# KiCad board Marble.kicad_pcb (continued)
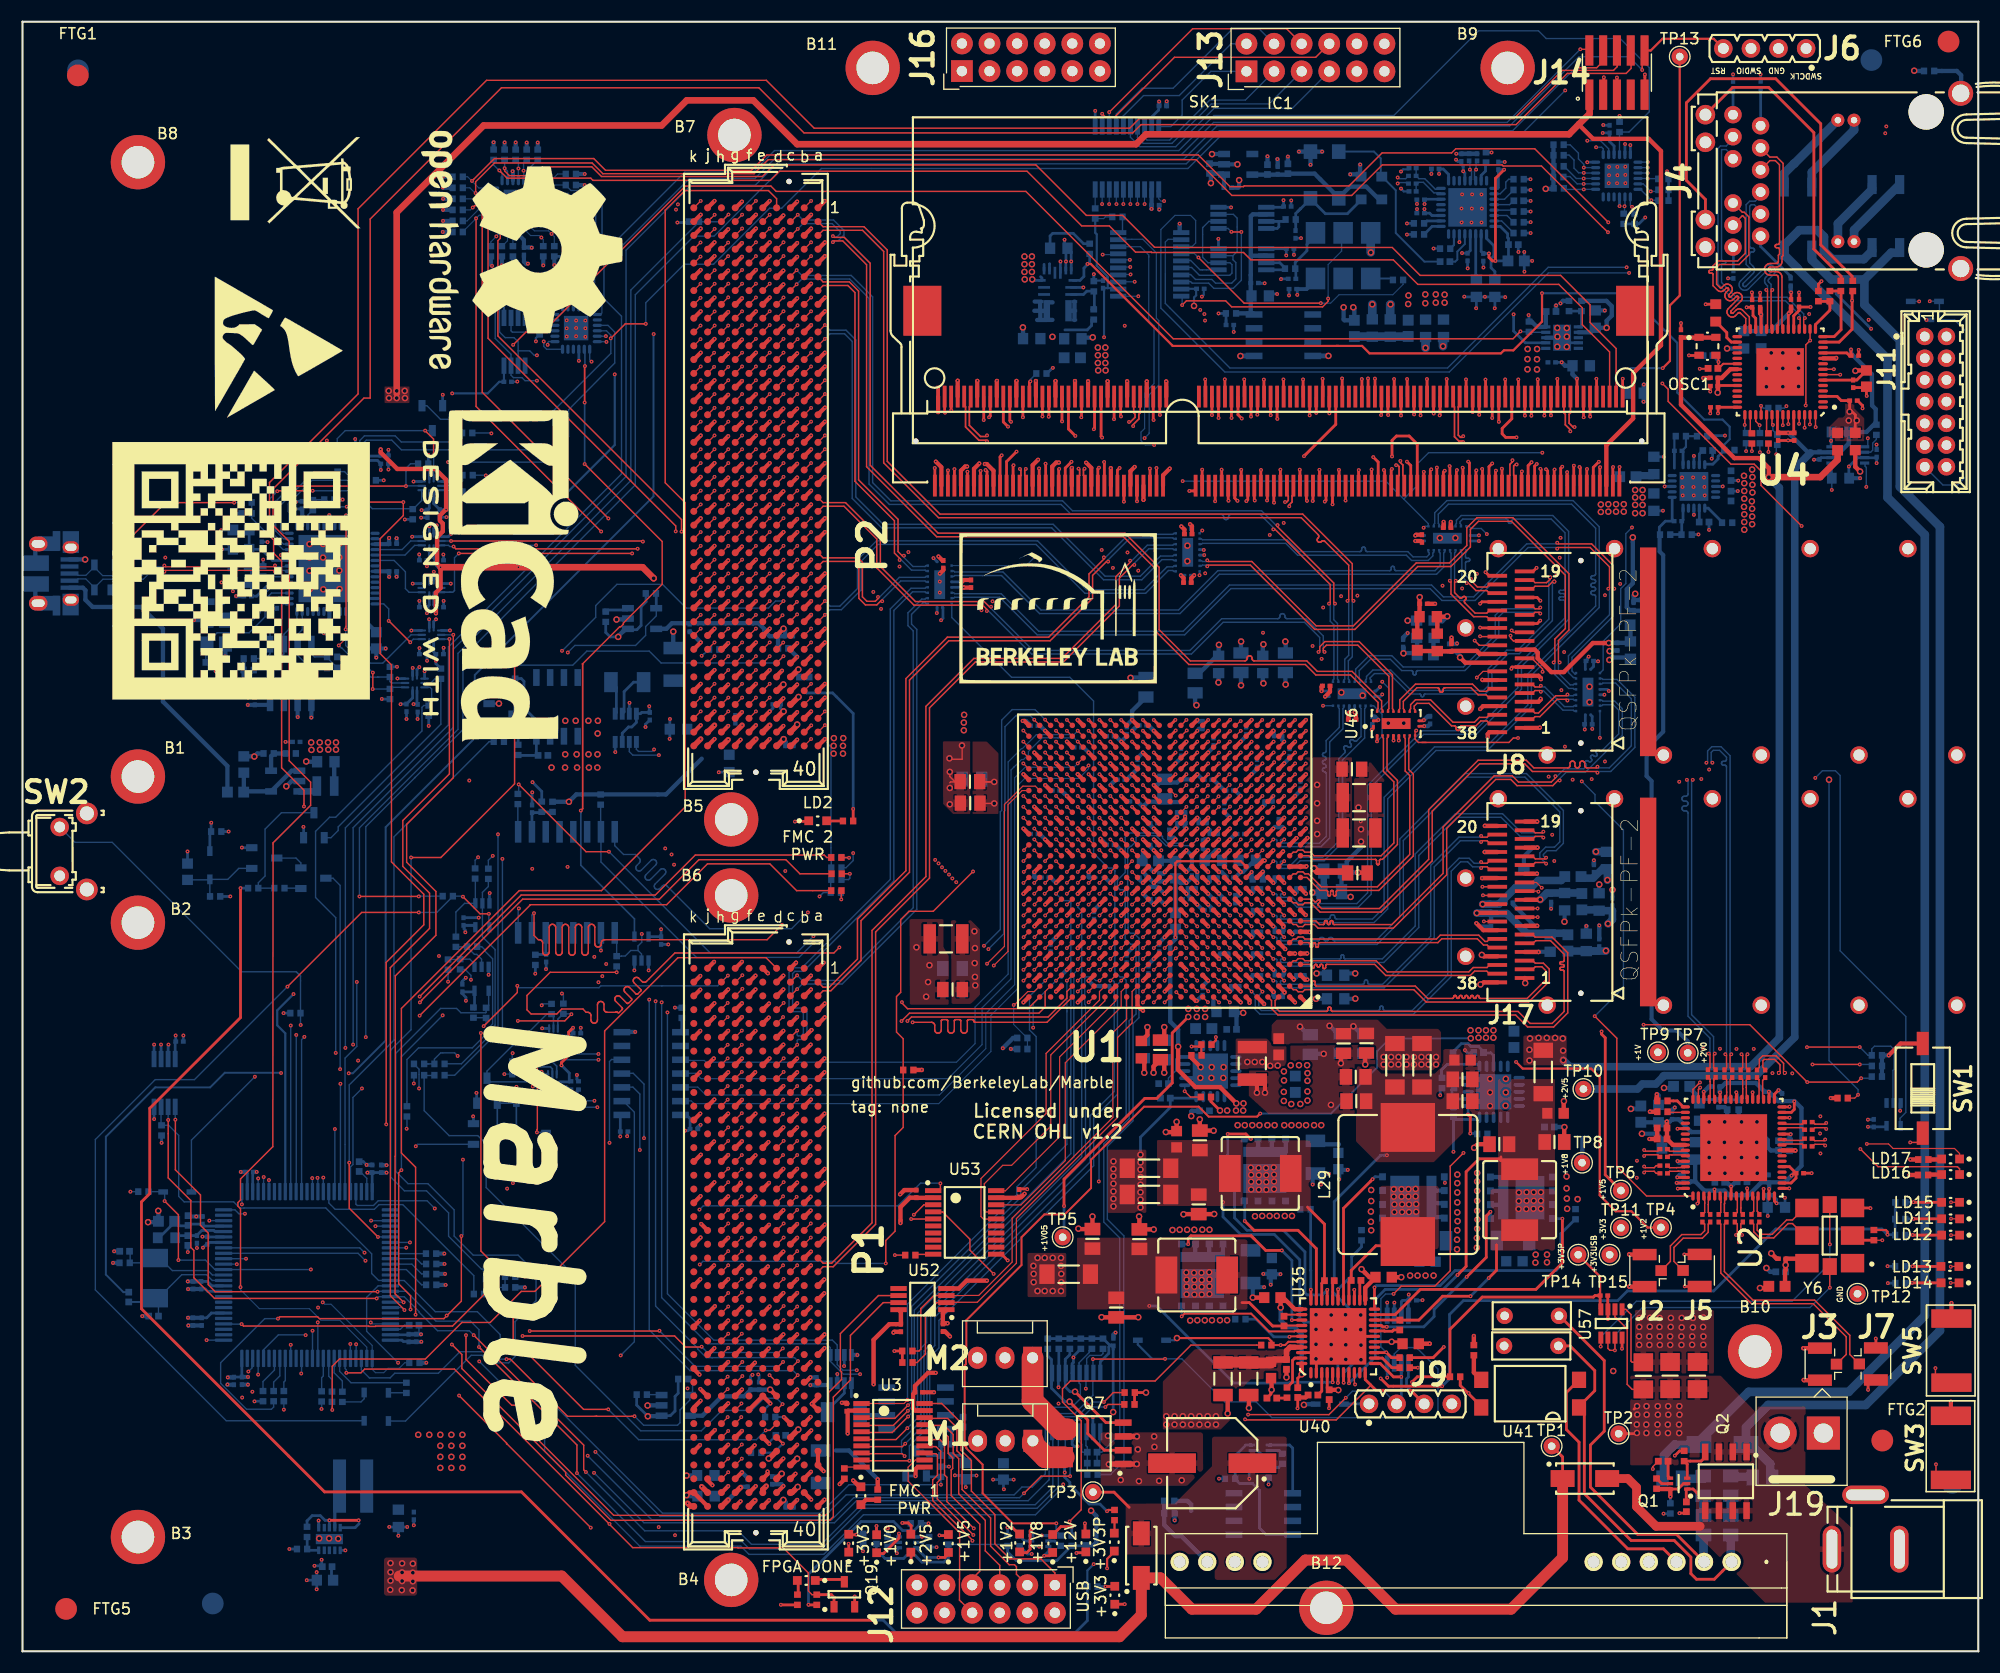
[diagram p0: board, top side]
## Routing (per net, layer and track width the routed paths; a pad name or vN(x,y) marks a point on that pad's centre or on a via; arc(x,y) is an arc through that point) (continued)
/SDRAM/DDR3_DQ57: length 57.3
  Top w0.254: U1.V4 v1(115.12,77.73) ; v1(141.01,108.78) 140.97,108.74 SK1.183
  In4.Cu w0.135: v1(115.12,77.73) 115.12,77.83 115.37,78.07 116.94,78.07 117.19,78.32 118.44,78.32 118.97,78.86 121.33,78.86 125.75,83.25 125.75,83.75 125.84,83.83 125.84,84 126.81,84.97 127.35,84.97 127.61,85.23 127.61,86.48 128.54,87.41 128.55,87.42 128.56,87.43 128.56,87.45 128.56,87.46 128.56,87.47 128.55,87.48 128.53,87.5 128.53,87.52 128.53,87.53 128.53,87.54 128.53,87.55 128.53,87.57 128.54,87.58 128.88,87.92 128.89,87.93 128.91,87.93 128.92,87.94 128.93,87.94 128.94,87.93 128.96,87.93 128.98,87.91 128.99,87.91 129,87.9 129.01,87.9 129.03,87.91 129.04,87.91 129.05,87.92 129.54,88.41 129.54,89.12 129.53,89.15 129.52,89.19 129.5,89.21 129.48,89.24 129.45,89.26 129.42,89.27 129.35,89.28 129.32,89.29 129.29,89.3 129.27,89.33 129.25,89.36 129.24,89.39 129.24,89.42 129.24,89.72 129.24,89.75 129.25,89.79 129.27,89.81 129.29,89.84 129.32,89.86 129.35,89.87 129.39,89.87 129.66,89.87 129.69,89.87 129.72,89.88 129.74,89.9 129.76,89.92 129.77,89.94 129.78,89.97 129.79,90 129.79,90.35 129.78,90.37 129.77,90.4 129.76,90.42 129.74,90.44 129.72,90.46 129.69,90.47 129.66,90.47 129.39,90.47 129.35,90.48 129.32,90.49 129.29,90.5 129.27,90.53 129.25,90.56 129.24,90.59 129.24,90.62 129.24,90.92 129.24,90.95 129.25,90.99 129.27,91.01 129.29,91.04 129.32,91.06 129.35,91.07 129.39,91.07 129.66,91.07 129.69,91.07 129.72,91.08 129.74,91.1 129.76,91.12 129.77,91.14 129.78,91.17 129.79,91.2 129.79,91.55 129.78,91.57 129.77,91.6 129.76,91.62 129.74,91.64 129.72,91.66 129.69,91.67 129.66,91.67 129.39,91.67 129.35,91.68 129.32,91.69 129.29,91.7 129.27,91.73 129.25,91.76 129.24,91.79 129.24,91.82 129.24,92.12 129.24,92.15 129.25,92.19 129.27,92.21 129.29,92.24 129.32,92.26 129.35,92.27 129.39,92.27 129.66,92.27 129.69,92.27 129.72,92.28 129.74,92.3 129.76,92.32 129.77,92.34 129.78,92.37 129.79,92.4 129.79,92.75 129.78,92.77 129.77,92.8 129.76,92.82 129.74,92.84 129.72,92.86 129.69,92.87 129.66,92.87 129.39,92.87 129.35,92.88 129.32,92.89 129.29,92.9 129.27,92.93 129.25,92.96 129.24,92.99 129.24,93.02 129.24,93.32 129.24,93.35 129.25,93.39 129.27,93.41 129.29,93.44 129.32,93.46 129.35,93.47 129.39,93.47 129.66,93.47 129.69,93.47 129.72,93.48 129.74,93.5 129.76,93.52 129.77,93.54 129.78,93.57 129.79,93.6 129.79,93.95 129.78,93.97 129.77,94 129.76,94.02 129.74,94.04 129.72,94.06 129.69,94.07 129.66,94.07 129.39,94.07 129.35,94.08 129.32,94.09 129.29,94.1 129.27,94.13 129.25,94.16 129.24,94.19 129.24,94.22 129.24,94.52 129.24,94.55 129.25,94.59 129.27,94.61 129.29,94.64 129.32,94.66 129.35,94.67 129.42,94.68 129.45,94.69 129.48,94.7 129.5,94.73 129.52,94.76 129.53,94.79 129.54,94.82 129.54,95.28 130.71,96.45 133.66,96.45 134.15,96.93 134.17,96.96 134.18,96.99 134.19,97.02 134.19,97.05 134.18,97.08 134.17,97.11 134.13,97.17 134.11,97.2 134.1,97.23 134.1,97.26 134.11,97.3 134.13,97.33 134.15,97.35 134.36,97.57 134.39,97.59 134.42,97.6 134.45,97.61 134.48,97.61 134.51,97.6 134.54,97.59 134.57,97.57 134.87,97.26 134.92,97.23 134.98,97.2 135.04,97.19 135.1,97.19 135.16,97.2 135.21,97.23 135.26,97.26 135.3,97.3 135.33,97.35 135.36,97.4 135.37,97.46 135.37,97.53 135.36,97.59 135.33,97.64 135.3,97.69 135,97.99 134.97,98.02 134.96,98.05 134.95,98.08 134.95,98.11 134.96,98.15 134.97,98.18 135,98.2 135.21,98.41 135.23,98.43 135.26,98.45 135.3,98.46 135.33,98.46 135.36,98.45 135.39,98.43 135.42,98.41 135.72,98.11 135.77,98.07 135.82,98.05 135.88,98.03 135.95,98.03 136.01,98.05 136.06,98.07 136.11,98.11 136.14,98.15 136.18,98.2 136.21,98.25 136.22,98.31 136.22,98.37 136.21,98.43 136.18,98.49 136.14,98.54 135.84,98.84 135.82,98.86 135.81,98.89 135.8,98.93 135.8,98.96 135.81,98.99 135.82,99.02 135.84,99.05 136.06,99.26 136.08,99.28 136.11,99.3 136.15,99.31 136.18,99.31 136.21,99.3 136.24,99.28 136.27,99.26 136.57,98.96 136.62,98.92 136.67,98.9 136.73,98.88 136.79,98.88 136.85,98.9 136.91,98.92 136.96,98.96 136.99,99 137.03,99.05 137.06,99.1 137.07,99.16 137.07,99.22 137.06,99.28 137.03,99.34 136.99,99.39 136.69,99.69 136.67,99.71 136.66,99.74 136.65,99.78 136.65,99.81 136.66,99.84 136.67,99.87 136.69,99.9 136.9,100.11 136.93,100.13 136.96,100.15 136.99,100.15 137.03,100.15 137.06,100.15 137.09,100.13 137.14,100.09 137.17,100.08 137.21,100.07 137.24,100.07 137.27,100.08 137.3,100.09 137.33,100.11 137.49,100.27 137.49,102.6 141.01,106.12 v1(141.01,108.78)
/SDRAM/DDR3_DQ58: length 57.3
  Top w0.254: U1.U2 v1(117.12,76.73) ; v1(143.3,109.01) 143.37,108.94 SK1.191
  In2.Cu w0.135: v1(143.3,109.01) 143.3,109.73 143.6,110.02 143.6,110.82 143.23,111.19 142.15,111.19 141.36,110.41 141.36,108.51 141.16,108.31 141.16,107.34 141.15,107.28 141.13,107.21 141.09,107.16 141.04,107.11 140.99,107.07 140.92,107.05 140.86,107.04 140.72,107.04 140.65,107.04 140.59,107.01 140.53,106.98 140.48,106.93 140.45,106.87 140.42,106.81 140.42,106.74 140.42,106.68 140.45,106.61 140.48,106.56 140.53,106.51 140.59,106.47 140.65,106.45 140.72,106.44 140.86,106.44 140.92,106.44 140.99,106.41 141.04,106.38 141.09,106.33 141.13,106.27 141.15,106.21 141.16,106.14 141.16,103.55 135.71,98.1 135.71,85.89 127.95,78.13 121.83,78.13 120.98,77.28 117.67,77.28 v1(117.12,76.73)
/SDRAM/DDR3_DQ59: length 57.3
  Top w0.254: SK1.193 143.97,108.81 v1(143.99,108.83) ; U1.U1 v1(118.12,76.73)
  In2.Cu w0.135: v1(143.99,108.83) 143.99,111.12 144.29,111.42 144.79,111.42 145.23,110.98 145.23,110.37 144.7,109.83 144.7,106.37 136.19,97.86 136.19,84.94 128.18,76.93 118.32,76.93 v1(118.12,76.73)
/SDRAM/DDR3_DQ60: length 57.3
  Top w0.254: U1.V6 v1(113.12,77.73) ; SK1.180 140.07,113.75 v1(140.07,113.74)
  In4.Cu w0.135: v1(113.12,77.73) 113.78,78.39 116.29,78.39 116.74,78.83 116.74,78.93 117.07,79.26 120.93,79.26 121.56,79.9 125.4,83.76 125.4,84.39 126.65,85.65 126.65,86.12 128.95,88.42 128.95,95.92 130.05,97.02 133.47,97.02 136.97,100.52 136.97,102.88 140.38,106.29 140.38,108.46 140.58,108.65 140.58,111.31 140.58,111.37 140.6,111.43 140.64,111.49 140.68,111.53 140.74,111.57 140.8,111.59 140.93,111.6 140.99,111.62 141.04,111.66 141.09,111.7 141.12,111.76 141.14,111.82 141.15,111.88 141.15,111.91 141.14,111.97 141.12,112.03 141.09,112.09 141.04,112.13 140.99,112.17 140.93,112.19 140.86,112.2 140.58,112.2 140.58,112.21 140.29,112.21 140.23,112.22 140.16,112.24 140.11,112.27 140.06,112.32 140.03,112.37 140.01,112.43 140,112.5 140,112.52 140.01,112.59 140.03,112.65 140.06,112.7 140.11,112.75 140.16,112.78 140.23,112.8 140.35,112.82 140.41,112.84 140.47,112.87 140.51,112.92 140.55,112.97 140.57,113.03 140.58,113.1 140.58,113.23 v1(140.07,113.74)
/SDRAM/DDR3_DQ61: length 57.4
  Top w0.254: U1.V3 v1(116.12,77.73) ; v1(140.68,113.77) 140.67,113.76 140.67,113.75 SK1.182
  In4.Cu w0.135: 140.62,113.71 140.66,113.81
  In7.Cu w0.135: v1(140.68,113.77) 140.68,113.44 140.42,113.19 137.11,113.19 135.71,111.79 135.71,110.82 136.76,109.77 136.76,108.06 136.24,107.54 136.19,107.5 136.13,107.47 136.07,107.46 136,107.46 135.93,107.47 135.87,107.5 135.82,107.54 135.59,107.77 135.54,107.82 135.48,107.85 135.41,107.86 135.34,107.86 135.28,107.85 135.22,107.82 135.17,107.77 135.12,107.72 135.1,107.66 135.08,107.6 135.08,107.53 135.1,107.46 135.12,107.4 135.17,107.35 136.05,106.47 136.09,106.41 136.12,106.35 136.14,106.29 136.14,106.22 136.12,106.16 136.09,106.09 136.05,106.04 136,106 135.94,105.97 135.87,105.96 135.8,105.96 135.74,105.97 135.68,106 135.63,106.04 134.74,106.93 134.69,106.97 134.63,107 134.56,107.01 134.5,107.01 134.43,107 134.37,106.97 134.32,106.93 134.28,106.87 134.25,106.81 134.23,106.75 134.23,106.68 134.25,106.62 134.28,106.55 134.32,106.5 134.55,106.27 134.59,106.22 134.62,106.16 134.63,106.09 134.63,106.03 134.62,105.96 134.59,105.9 134.55,105.85 134.04,105.34 128.12,99.42 128.12,91.72 125.64,89.23 125.64,88.06 125.23,87.66 125.23,85.15 119.28,79.2 117.08,79.2 116.12,78.24 v1(116.12,77.73)
/SDRAM/DDR3_DQ62: length 57.3
  Top w0.254: U1.U6 v1(113.12,76.73) ; SK1.192 143.67,113.61 v1(143.68,113.59)
  In4.Cu w0.135: v1(143.68,113.59) 143.68,111.64 143.68,111.61 143.67,111.58 143.66,111.55 143.64,111.53 143.61,111.52 143.58,111.51 143.52,111.5 143.5,111.49 143.47,111.48 143.45,111.45 143.43,111.43 143.42,111.4 143.42,111.37 143.42,111.34 143.42,111.31 143.43,111.28 143.45,111.25 143.47,111.23 143.5,111.22 143.52,111.21 143.58,111.2 143.61,111.19 143.64,111.18 143.66,111.15 143.67,111.13 143.68,111.1 143.68,111.07 143.68,109.03 143.65,108.99 143.65,108.78 142.62,107.75 142.62,105.83 138.6,101.82 138.6,99.56 135.1,96.05 135.1,93.03 130.65,88.59 130.65,85.92 123.26,78.53 122.29,78.53 121.61,77.84 120.49,77.84 119.75,77.09 113.48,77.09 v1(113.12,76.73)
/SDRAM/DDR3_DQ63: length 62.4
  Top w0.254: U1.U5 v1(114.12,76.73) ; SK1.194 144.27,113.67 v1(144.28,113.66)
  In4.Cu w0.135: 117.65,76.34 118.56,76.34 118.92,75.97 121.33,75.97 122.43,77.07 123.11,77.07 129.35,83.31 129.37,83.31 129.55,83.49 129.55,83.52 131.34,85.31 131.34,88.43 135.79,92.88 135.79,95.88 139.01,99.1 139.01,101.37 143.2,105.57 143.2,107.53 144.33,108.66 144.33,108.99 144.28,109.05 144.28,110.2 144.29,110.26 144.31,110.33 144.35,110.38 144.39,110.43 144.45,110.47 144.52,110.49 144.58,110.5 144.91,110.5 144.97,110.5 145.04,110.53 145.09,110.56 145.14,110.61 145.18,110.67 145.2,110.73 145.21,110.8 145.2,110.86 145.18,110.93 145.14,110.98 145.09,111.03 145.04,111.07 144.97,111.09 144.91,111.1 144.12,111.1 144.08,111.1 144.05,111.11 144.02,111.13 143.99,111.16 143.97,111.19 143.96,111.22 143.96,111.26 143.96,111.53 143.96,111.57 143.97,111.6 143.99,111.63 144.02,111.66 144.05,111.68 144.08,111.69 144.12,111.7 144.91,111.7 144.97,111.7 145.04,111.73 145.09,111.76 145.14,111.81 145.18,111.87 145.2,111.93 145.21,112 145.2,112.06 145.18,112.13 145.14,112.18 145.09,112.23 145.04,112.27 144.97,112.29 144.91,112.3 144.28,112.3 144.28,112.31 144.12,112.31 144.08,112.31 144.05,112.32 144.02,112.34 143.99,112.37 143.97,112.4 143.96,112.44 143.96,112.47 143.96,112.75 143.96,112.78 143.97,112.82 143.99,112.85 144.02,112.87 144.05,112.89 144.08,112.9 144.16,112.91 144.19,112.92 144.22,112.94 144.25,112.97 144.27,113 144.28,113.04 144.28,113.07 v1(144.28,113.66) ; 117.65,76.34 114.51,76.34 v1(114.12,76.73) ; 117.65,76.34 118.31,76.34
/SDRAM/PGOOD: length 208.2
  Top w0.127: v1(45.16,120.26) 46.34,121.44 47.9,121.44 51.57,125.11 51.57,125.44 61,134.87 68.88,134.87 69.36,134.38 92.35,134.38 105.91,120.82 137.18,120.82 v1(137.86,121.5)
  In2.Cu w0.127: v1(30.17,28.29) 30.17,33.87 39.24,42.94 39.24,56.15 37.77,57.62 37.77,78.65 44.45,85.33 44.45,101.87 45.16,102.58 v1(45.16,120.26)
  Bottom w0.127: U31.9 138.7,121.41 R29.2 137.9,121.46 v1(137.86,121.5) ; v1(30.17,28.29) 30.17,26.97 U54.80
/THERM: length 174.5
  In2.Cu w0.127: v1(52.37,118.71) 52.37,105.81 47.67,101.11 47.67,62.8 48.17,62.3 48.17,55.88 48.12,55.83 48.12,54.67 48.25,54.53 48.25,19.95 v1(48.05,19.75) ; v1(97.86,24.17) 97.12,23.43 96.6,23.43 96.57,23.46 96.16,23.46 95.9,23.2 95.9,17.14 96.76,16.28 96.76,15.93 96.19,15.36 v1(95.78,15.36)
  Bottom w0.127: v1(95.78,15.36) 95.78,15.12 93.23,12.56 77.39,12.56 73.75,8.92 66.86,8.92 66.1,9.68 56.8,9.68 48.05,18.43 v1(48.05,19.75) ; 99.38,27.78 R130.2 99.44,27.4 99.28,27.23 98.23,27.23 97.94,26.94 97.94,25.66 97.88,25.6 97.88,24.18 v1(97.86,24.17) ; U39.7 52.2,118.88 v1(52.37,118.71)
/USB/USB_D_N: length 21.9
  Top w0.112: v1(23.24,99.38) 23.12,99.49 13.17,99.49 v1(13.05,99.38)
  Bottom w0.112: J10.2 4.95,98.55 5.11,98.71 5.82,98.71 6.62,97.92 D13.2 6.62,97.9 7.4,98.68 11.11,98.68 11.93,99.49 12.93,99.49 v1(13.05,99.38) ; v1(23.24,99.38) 23.36,99.49 24.46,99.49 U23.7
/USB/USB_D_P: length 21.9
  Top w0.112: v1(23.24,99.95) 23.12,99.83 13.17,99.83 v1(13.05,99.95)
  Bottom w0.112: J10.3 4.95,99.2 5.11,99.04 5.83,99.04 6.62,99.83 D13.3 6.62,99.77 7.38,99.01 10.98,99.01 11.79,99.83 12.93,99.83 v1(13.05,99.95) ; U23.8 24.46,99.83 23.36,99.83 v1(23.24,99.95)
/USB_TCK: length 2
  Bottom w0.127: U26.5 40.35,106.88 R230.1
/USB_TDI_DO: length 2.7
  Bottom w0.127: R231.1 40.5,107.74 40.04,107.28 U26.4
/USB_TDO_DI: length 11.2
  Bottom w0.127: U33.4 31.04,111.45 31.47,111.88 34.3,111.88 34.86,111.32 40.14,111.32 40.46,111.64 R233.1
/USB_TMS: length 10
  Bottom w0.127: U33.5 31.44,111.27 31.65,111.48 33.98,111.48 34.87,110.59 R232.1
/WhiteRabbit/WR_DAC_OUT1: length 10
  Bottom w0.254: C109.1 117.19,130.8 R93.1 117.19,132.36 117.61,132.79 117.63,132.79 ; 117.63,132.79 118.54,133.7 Y2.1 ; 117.63,132.79 117.4,132.56 ; Y2.1 118.54,133.7 119.91,132.33 121.93,132.33 123.06,133.45 123.11,133.45 ; Y2.1 118.23,133.44
/WhiteRabbit/WR_DAC_OUT2: length 5.9
  Bottom w0.254: C108.1 117.19,127.21 R92.1 117.13,127.84 118.21,128.92 118.21,129.51 119,130.3 Y3.1 118.37,129.94
DDR_REF_CLK_N: length 3.5
  Bottom w0.13: U20.31 130.46,134.25 129.9,134.25 128.92,135.22 128.52,135.22 128.34,135.04 128.26,135.04 128.26,134.39 R22.2
DDR_REF_CLK_P: length 3.5
  Bottom w0.13: 128.27,136.41 128.26,136.41 128.26,135.73 128.34,135.73 128.52,135.55 129.06,135.55 130.03,134.58 130.46,134.58 U20.32
FMC1_DP0_C2M_N: length 44.3
  Top w0.13: P1.C3 v1(71.29,60.95)
  Bottom w0.13: 83.33,96.44 83.15,96.44 83.07,96.52 82.89,96.52 81.82,95.45 81.82,94.55 82.31,94.06 82.31,68.29 75.44,61.42 71.76,61.42 v1(71.29,60.95)
FMC1_DP0_C2M_P: length 44.3
  Top w0.13: P1.C2 v1(71.29,62.22)
  Bottom w0.13: v1(71.29,62.22) 71.76,61.75 75.28,61.75 81.98,68.44 81.98,93.93 81.49,94.41 81.49,95.59 82.76,96.85 83.07,96.85 83.15,96.94 83.33,96.94
FMC1_DP0_M2C_N: length 50.6
  Top w0.112: P1.C7 70.72,55.25
  Top w0.13: 70.72,55.25 v1(71.3,55.83)
  Bottom w0.13: v1(71.3,55.83) 71.3,56.23 71.38,56.32 71.8,56.32 72.2,56.72 72.2,58.89 71.87,59.21 71.11,59.21 70.88,59.44 70.88,62.38 71.08,62.59 71.87,62.59 80.2,70.92 80.2,95.81 81.91,97.52 83.07,97.52 83.15,97.44 83.33,97.44
FMC1_DP0_M2C_P: length 50.7
  Top w0.112: P1.C6 70.69,56.52
  Top w0.13: 70.69,56.52 v1(71.3,57.13)
  Bottom w0.13: 83.33,97.94 83.15,97.94 83.07,97.85 81.78,97.85 79.87,95.94 79.87,71.05 71.73,62.92 70.95,62.92 70.55,62.52 70.55,59.31 70.97,58.88 71.73,58.88 71.87,58.75 71.87,56.85 71.66,56.65 71.38,56.65 71.3,56.73 v1(71.3,57.13)
FMC1_DP1_C2M_N: length 87.1
  Top w0.13: v1(102.33,100) 102.17,100 100.95,98.78 100.95,96.21 95.8,91.06 87.7,91.06 83.47,86.84 83.47,71.17 78.51,66.21 78.51,39.3 74.61,35.4 73.68,35.4 P1.A23
  Bottom w0.13: 106.13,101.4 105.96,101.4 105.87,101.48 103.66,101.48 102.33,100.15 v1(102.33,100)
FMC1_DP1_C2M_P: length 87.1
  Top w0.13: v1(101.94,100.39) 101.94,100.23 100.62,98.92 100.62,96.35 95.66,91.39 87.56,91.39 83.14,86.98 83.14,71.31 78.19,66.35 78.19,39.44 74.47,35.73 73.68,35.73 P1.A22
  Bottom w0.13: v1(101.94,100.39) 102.09,100.39 103.52,101.81 105.87,101.81 105.96,101.9 106.13,101.9
FMC1_DP1_M2C_N: length 64.2
  Top w0.13: P1.A3 73.68,60.8 74.39,60.8 77.17,63.58 77.17,67.25 81.63,71.71 81.63,89.4 85.26,93.02 94.58,93.02 98.49,96.92 98.49,99.03 99.76,100.3 v1(99.91,100.3)
  Bottom w0.13: 106.13,102.4 105.96,102.4 105.87,102.48 101.94,102.48 99.91,100.46 v1(99.91,100.3)
FMC1_DP1_M2C_P: length 64.2
  Top w0.13: P1.A2 73.68,61.13 74.25,61.13 76.84,63.72 76.84,67.39 81.31,71.85 81.31,89.53 85.12,93.35 94.44,93.35 98.16,97.06 98.16,99.17 99.52,100.54 v1(99.52,100.69)
  Bottom w0.13: 106.13,102.9 105.96,102.9 105.87,102.81 101.8,102.81 99.68,100.69 v1(99.52,100.69)
FMC1_LA_0_N: length 47.3
  Top w0.102: v1(100.12,66.72) 100.6,67.21 100.6,67.22
  Top w0.112: P1.G7 65.62,55.25 v1(66.2,55.83)
  In9.Cu w0.1: v1(66.2,55.83) 65.48,56.55 65.48,57.58 65.76,57.86 73.55,57.86 74.76,56.66 97.36,56.66 99.48,58.78 99.48,66.08 v1(100.12,66.72)
FMC1_LA_0_P: length 47.8
  Top w0.102: U1.H17 v1(101.12,66.73)
  Top w0.112: P1.G6 65.59,56.52 v1(66.2,57.13)
  In9.Cu w0.1: v1(101.12,66.73) 100.85,66.73 100.75,66.63 100.75,66.32 100.53,66.1 99.95,66.1 99.77,65.91 99.77,63.9 99.77,63.9 99.77,61.56 99.77,61.56 99.77,58.66 97.48,56.37 74.64,56.37 73.43,57.57 65.88,57.57 65.77,57.46 65.77,56.74 65.89,56.63 66.11,56.63 66.2,56.71 v1(66.2,57.13)
FMC1_LA_1_N: length 45.2
  Top w0.102: v1(100.12,64.73) 100.12,64.73 U1.F18
  Top w0.112: P1.D9 69.43,52.71 v1(70.05,53.33)
  In9.Cu w0.1: v1(70.05,53.33) 70.05,53.72 69.96,53.81 69.68,53.81 69.24,54.25 69.24,54.96 69.6,55.32 76.3,55.32 76.77,54.85 96.85,54.85 101.48,59.48 101.48,64.87 101.26,65.09 100.48,65.09 v1(100.12,64.73)
FMC1_LA_1_P: length 44.7
  Top w0.102: U1.G17 v1(101.12,65.73)
  Top w0.112: v1(70.05,54.58) 69.45,53.98 P1.D8
  In9.Cu w0.1: v1(101.12,65.73) 100.9,65.51 100.9,65.42 100.94,65.38 101.38,65.38 101.77,64.99 101.77,59.36 96.97,54.56 76.65,54.56 76.18,55.03 69.72,55.03 69.53,54.84 69.53,54.37 69.8,54.1 69.95,54.1 70.05,54.2 v1(70.05,54.58)
FMC1_LA_2_N: length 45.7
  Top w0.102: U1.J20 v1(98.12,67.73)
  Top w0.112: P1.H8 64.32,54 v1(64.9,54.58)
  In4.Cu w0.1: v1(64.9,54.58) 65.38,55.06 82.08,55.06 82.57,54.57 91.65,54.57 96.77,59.68 96.77,66.9 96.77,66.9 96.77,67.56 96.77,67.56 96.77,67.9 96.77,67.9 96.95,68.09 97.76,68.09 v1(98.12,67.73)
FMC1_LA_2_P: length 45.7
  Top w0.102: U1.K20 v1(98.12,68.73)
  Top w0.112: P1.H7 64.32,55.25 v1(64.9,55.83)
  In4.Cu w0.1: v1(64.9,55.83) 65.38,55.35 82.2,55.35 82.69,54.86 91.53,54.86 96.48,59.8 96.48,67.02 96.48,68.02 96.83,68.38 97.76,68.38 v1(98.12,68.73)
FMC1_LA_3_N: length 54
  Top w0.11: U1.L18 101.13,70.74 v1(101.13,70.74)
  Top w0.112: P1.G10 65.61,51.44 v1(66.2,52.03)
  In7.Cu w0.1: v1(101.13,70.74) 101.48,70.39 101.48,70.02 101.48,70.02 101.48,68.44 101.48,68.44 101.48,68.02 101.48,68.02 101.48,59.44 101.48,59.44 101.48,58.87 97.19,54.57 76.27,54.57 75.81,54.11 65.86,54.11 65.38,53.64 65.38,52.86 65.71,52.54 66.1,52.54 66.2,52.43 v1(66.2,52.03)
FMC1_LA_3_P: length 53.5
  Top w0.11: v1(102.11,70.71) 102.11,70.74 U1.M17
  Top w0.112: v1(66.2,53.33) 65.59,52.72 P1.G9
  In7.Cu w0.1: v1(66.2,53.33) 66.2,52.92 66.1,52.83 65.83,52.83 65.67,52.98 65.67,53.52 65.98,53.82 75.93,53.82 76.39,54.28 97.31,54.28 101.77,58.75 101.77,59.56 101.77,59.56 101.77,67.9 101.77,67.9 101.77,68.56 101.77,68.56 101.77,70.37 v1(102.11,70.71)
FMC1_LA_4_N: length 45.7
  Top w0.11: U1.G20 v1(98.12,65.73)
  Top w0.112: P1.H11 64.32,50.2 v1(64.9,50.78)
  In4.Cu w0.1: v1(98.12,65.73) 98.34,65.95 98.34,66.03 98.3,66.07 98.04,66.07 97.77,65.81 97.77,59.07 91.14,52.44 68.67,52.44 67.49,51.26 65.38,51.26 v1(64.9,50.78)
FMC1_LA_4_P: length 46.2
  Top w0.11: U1.H19 v1(99.12,66.73)
  Top w0.112: P1.H10 64.32,51.45 v1(64.9,52.03)
  In4.Cu w0.1: v1(99.12,66.73) 98.75,66.36 97.92,66.36 97.48,65.93 97.48,59.19 91.02,52.73 68.55,52.73 67.37,51.55 65.38,51.55 v1(64.9,52.03)
FMC1_LA_5_N: length 41.9
  Top w0.11: U1.E20 98.12,63.73 v1(98.12,63.73)
  Top w0.112: v1(70,49.48) 69.42,48.9 P1.D12
  In4.Cu w0.1: v1(98.12,63.73) 98.34,63.95 98.41,63.95 98.48,63.88 98.48,58.85 91.17,51.54 69.4,51.54 69.14,51.28 69.14,50.24 69.4,49.99 69.84,49.99 70,49.82 v1(70,49.48)
FMC1_LA_5_P: length 42
  Top w0.11: U1.F19 v1(99.12,64.73)
  Top w0.112: v1(70,50.78) 69.4,50.18 P1.D11
  In4.Cu w0.1: v1(99.12,64.73) 98.77,64.38 98.77,58.73 91.29,51.25 69.52,51.25 69.43,51.16 69.43,50.36 69.52,50.28 69.85,50.28 70,50.43 v1(70,50.78)
FMC1_LA_6_N: length 44.4
  Top w0.11: U1.L20 v1(98.12,69.73)
  Top w0.112: v1(71.3,50.78) 70.69,50.17 P1.C11
  In2.Cu w0.1: v1(71.3,50.78) 71.3,51.18 71.22,51.26 70.91,51.26 70.53,51.64 70.53,52.38 71.08,52.93 75.07,52.93 78.39,56.25 92.82,56.25 96.47,59.9 96.47,65.04 96.81,65.38 98.31,65.38 98.47,65.55 98.47,69.38 v1(98.12,69.73)
FMC1_LA_6_P: length 43.9
  Top w0.11: U1.L19 v1(99.12,69.73)
  Top w0.112: P1.C10 70.71,51.44 v1(71.3,52.03)
  In2.Cu w0.1: v1(71.3,52.03) 71.3,51.64 71.21,51.55 71.03,51.55 70.82,51.76 70.82,52.26 71.2,52.64 75.19,52.64 78.51,55.96 92.95,55.96 96.76,59.78 96.76,64.92 96.93,65.09 98.43,65.09 98.76,65.43 98.76,69.38 v1(99.12,69.73)
FMC1_LA_7_N: length 46.2
  Top w0.11: U1.D20 98.12,62.73 v1(98.12,62.73)
  Top w0.112: v1(64.95,46.98) 64.33,46.36 P1.H14
  In2.Cu w0.1: v1(64.95,46.98) 64.95,47.23 64.72,47.46 64.56,47.46 64.37,47.27 64.37,46.85 64.65,46.57 66.78,46.57 69.21,49 75.33,49 79.22,52.89 92.32,52.89 98.47,59.04 98.47,62.38 v1(98.12,62.73)
FMC1_LA_7_P: length 47.7
  Top w0.11: U1.D19 v1(99.12,62.73)
  Top w0.112: v1(64.95,48.23) 64.35,47.63 P1.H13
  In2.Cu w0.1: v1(99.12,62.73) 98.76,62.38 98.76,58.92 92.44,52.6 79.34,52.6 75.45,48.71 69.33,48.71 66.9,46.28 64.53,46.28 64.08,46.73 64.08,47.39 64.44,47.75 64.82,47.75 64.95,47.88 v1(64.95,48.23)
FMC1_LA_8_N: length 45.1
  Top w0.11: U1.F20 98.12,64.73 v1(98.12,64.73)
  Top w0.112: v1(66.2,48.23) 65.6,47.63 P1.G13
  In2.Cu w0.1: v1(66.2,48.23) 65.48,48.95 65.48,49.9 65.89,50.32 74.36,50.32 78.81,54.77 92.88,54.77 97.47,59.36 97.47,64.08 v1(98.12,64.73)
FMC1_LA_8_P: length 46.2
  Top w0.11: U1.G19 v1(99.12,65.73)
  Top w0.112: 65.59,48.92 P1.G12 65.59,48.92 v1(66.2,49.53)
  In2.Cu w0.1: v1(66.2,49.53) 66.2,49.11 66.12,49.03 65.99,49.03 65.77,49.25 65.77,49.78 66.01,50.03 74.48,50.03 78.93,54.48 93,54.48 97.76,59.24 97.76,63.96 98.18,64.38 98.29,64.38 98.47,64.56 98.47,64.67 99.12,65.32 v1(99.12,65.73)
FMC1_LA_9_N: length 48.2
  Top w0.11: U1.J19 v1(99.12,67.73)
  Top w0.112: v1(70,45.68) 69.41,45.09 P1.D15
  In2.Cu w0.1: v1(70,45.68) 70,46 69.84,46.16 69.64,46.16 69.14,46.65 69.14,47.31 69.62,47.79 76.05,47.79 80.14,51.87 93.17,51.87 99.47,58.18 99.47,67.38 v1(99.12,67.73)
FMC1_LA_9_P: length 47.9
  Top w0.11: U1.J18 v1(100.12,67.73)
  Top w0.112: v1(70.05,46.98) 69.43,46.36 P1.D14
  In2.Cu w0.1: v1(70.05,46.98) 70.05,46.61 69.89,46.45 69.76,46.45 69.43,46.77 69.43,47.19 69.74,47.5 76.17,47.5 80.26,51.58 93.29,51.58 99.76,58.06 99.76,67.38 v1(100.12,67.73)
FMC1_LA_10_N: length 44.9
  Top w0.11: U1.G16 v1(102.12,65.73)
  Top w0.112: P1.C15 70.71,45.09 v1(71.3,45.68)
  In4.Cu w0.1: v1(71.3,45.68) 71.81,46.19 87.76,46.19 100.76,59.19 100.76,65.89 100.96,66.09 101.76,66.09 v1(102.12,65.73)
FMC1_LA_10_P: length 44.9
  Top w0.11: U1.H16 v1(102.12,66.73)
  Top w0.112: P1.C14 70.68,46.36 v1(71.3,46.98)
  In4.Cu w0.1: v1(71.3,46.98) 71.81,46.48 87.64,46.48 100.47,59.31 100.47,66 100.52,66.05 100.84,66.38 101.76,66.38 v1(102.12,66.73)
FMC1_LA_11_N: length 57.8
  Top w0.11: v1(100.11,69.73) 100.12,69.73 U1.K18
  Top w0.112: v1(64.95,43.18) 64.32,42.55 P1.H17
  In2.Cu w0.1: v1(100.11,69.73) 100.47,69.37 100.47,57.78 92.6,49.91 80.17,49.91 75.47,45.21 64.4,45.21 64.02,44.82 64.02,43.98 64.34,43.66 64.79,43.66 64.95,43.5 v1(64.95,43.18)
FMC1_LA_11_P: length 57.3
  Top w0.11: U1.L17 v1(101.12,69.73)
  Top w0.112: v1(64.95,44.43) 64.34,43.82 P1.H16
  In2.Cu w0.1: v1(64.95,44.43) 64.95,44.12 64.78,43.95 64.46,43.95 64.31,44.1 64.31,44.7 64.52,44.92 75.59,44.92 80.29,49.62 92.72,49.62 100.76,57.66 100.76,67.72 100.76,67.73 100.76,69.37 v1(101.12,69.73)
FMC1_LA_12_N: length 50.9
  Top w0.11: U1.F15 v1(103.12,64.73)
  Top w0.112: v1(66.2,44.38) 65.64,43.82 P1.G16
  In4.Cu w0.1: v1(66.2,44.38) 66.7,44.89 88.08,44.89 98.72,55.52 98.72,55.97 101.76,59.01 101.76,64.9 101.95,65.09 102.76,65.09 v1(103.12,64.73)
FMC1_LA_12_P: length 50.9
  Top w0.11: U1.G15 v1(103.12,65.73)
  Top w0.112: P1.G15 65.61,45.09 v1(66.2,45.68)
  In4.Cu w0.1: v1(103.12,65.73) 102.76,65.38 101.83,65.38 101.47,65.02 101.47,59.13 98.43,56.09 98.43,55.64 87.96,45.18 66.7,45.18 v1(66.2,45.68)
FMC1_LA_13_N: length 49.3
  Top w0.11: U1.D16 v1(102.12,62.73)
  Top w0.112: v1(70,41.88) 69.4,41.28 P1.D18
  In2.Cu w0.1: v1(70,41.88) 70,42.24 69.88,42.36 69.62,42.36 69.44,42.19 69.44,41.5 69.58,41.37 75.93,41.37 81.69,47.13 93.55,47.13 102.09,55.67 102.09,58.81 102.47,59.2 102.47,62.38 v1(102.12,62.73)
FMC1_LA_13_P: length 50.9
  Top w0.11: U1.D15 v1(103.12,62.73)
  Top w0.112: v1(70.05,43.18) 69.42,42.55 P1.D17
  In2.Cu w0.1: v1(103.12,62.73) 102.76,62.38 102.76,59.08 102.38,58.69 102.38,55.55 93.67,46.84 81.81,46.84 76.05,41.08 69.46,41.08 69.15,41.38 69.15,42.31 69.5,42.65 69.91,42.65 70.05,42.79 v1(70.05,43.18)
FMC1_LA_14_N: length 48.4
  Top w0.11: U1.E16 v1(102.12,63.73)
  Top w0.112: v1(71.3,40.63) 70.68,40.01 P1.C19
  In4.Cu w0.1: v1(102.12,63.73) 102.47,63.38 102.47,58.98 101.98,58.49 101.98,57.18 87.51,42.71 70.89,42.71 70.48,42.3 70.48,41.44 70.81,41.11 71.2,41.11 71.3,41.01 v1(71.3,40.63)
FMC1_LA_14_P: length 47.7
  Top w0.11: U1.E15 v1(103.12,63.73)
  Top w0.112: P1.C18 70.7,41.28 v1(71.25,41.83)
  In4.Cu w0.1: v1(71.25,41.83) 71.25,41.47 71.18,41.4 70.93,41.4 70.77,41.56 70.77,42.18 71.01,42.42 87.63,42.42 102.27,57.06 102.27,58.37 102.76,58.86 102.76,63.38 v1(103.12,63.73)
FMC1_LA_15_N: length 59.9
  Top w0.11: U1.J16 102.12,67.73 v1(102.12,67.73)
  Top w0.112: P1.H20 64.32,38.75 v1(64.95,39.38)
  In7.Cu w0.1: v1(64.95,39.38) 64.47,39.86 63.97,39.86 63.51,40.31 63.51,40.87 64.07,41.43 85.89,41.43 102.47,58.01 102.47,67.38 v1(102.12,67.73)
FMC1_LA_15_P: length 59.4
  Top w0.11: U1.J15 v1(103.12,67.73)
  Top w0.112: P1.H19 64.33,40.01 v1(64.95,40.63)
  In7.Cu w0.1: v1(64.95,40.63) 64.47,40.15 64.09,40.15 63.8,40.43 63.8,40.75 64.19,41.14 86.01,41.14 102.76,57.89 102.76,67.37 v1(103.12,67.73)
